# Altium PCB BW2098POE.PcbDoc (part 1 of 4)
Units mm, origin at the board's own origin, x right, y up, seen from the top; angles counter-clockwise.
Board outline 80 x 60 mm, 4 copper layers (Top Layer, Layer 2, Layer 3, Bottom Layer), stack 1.578 mm thick; 233 components, 209 nets, 925 pads, 561 vias.
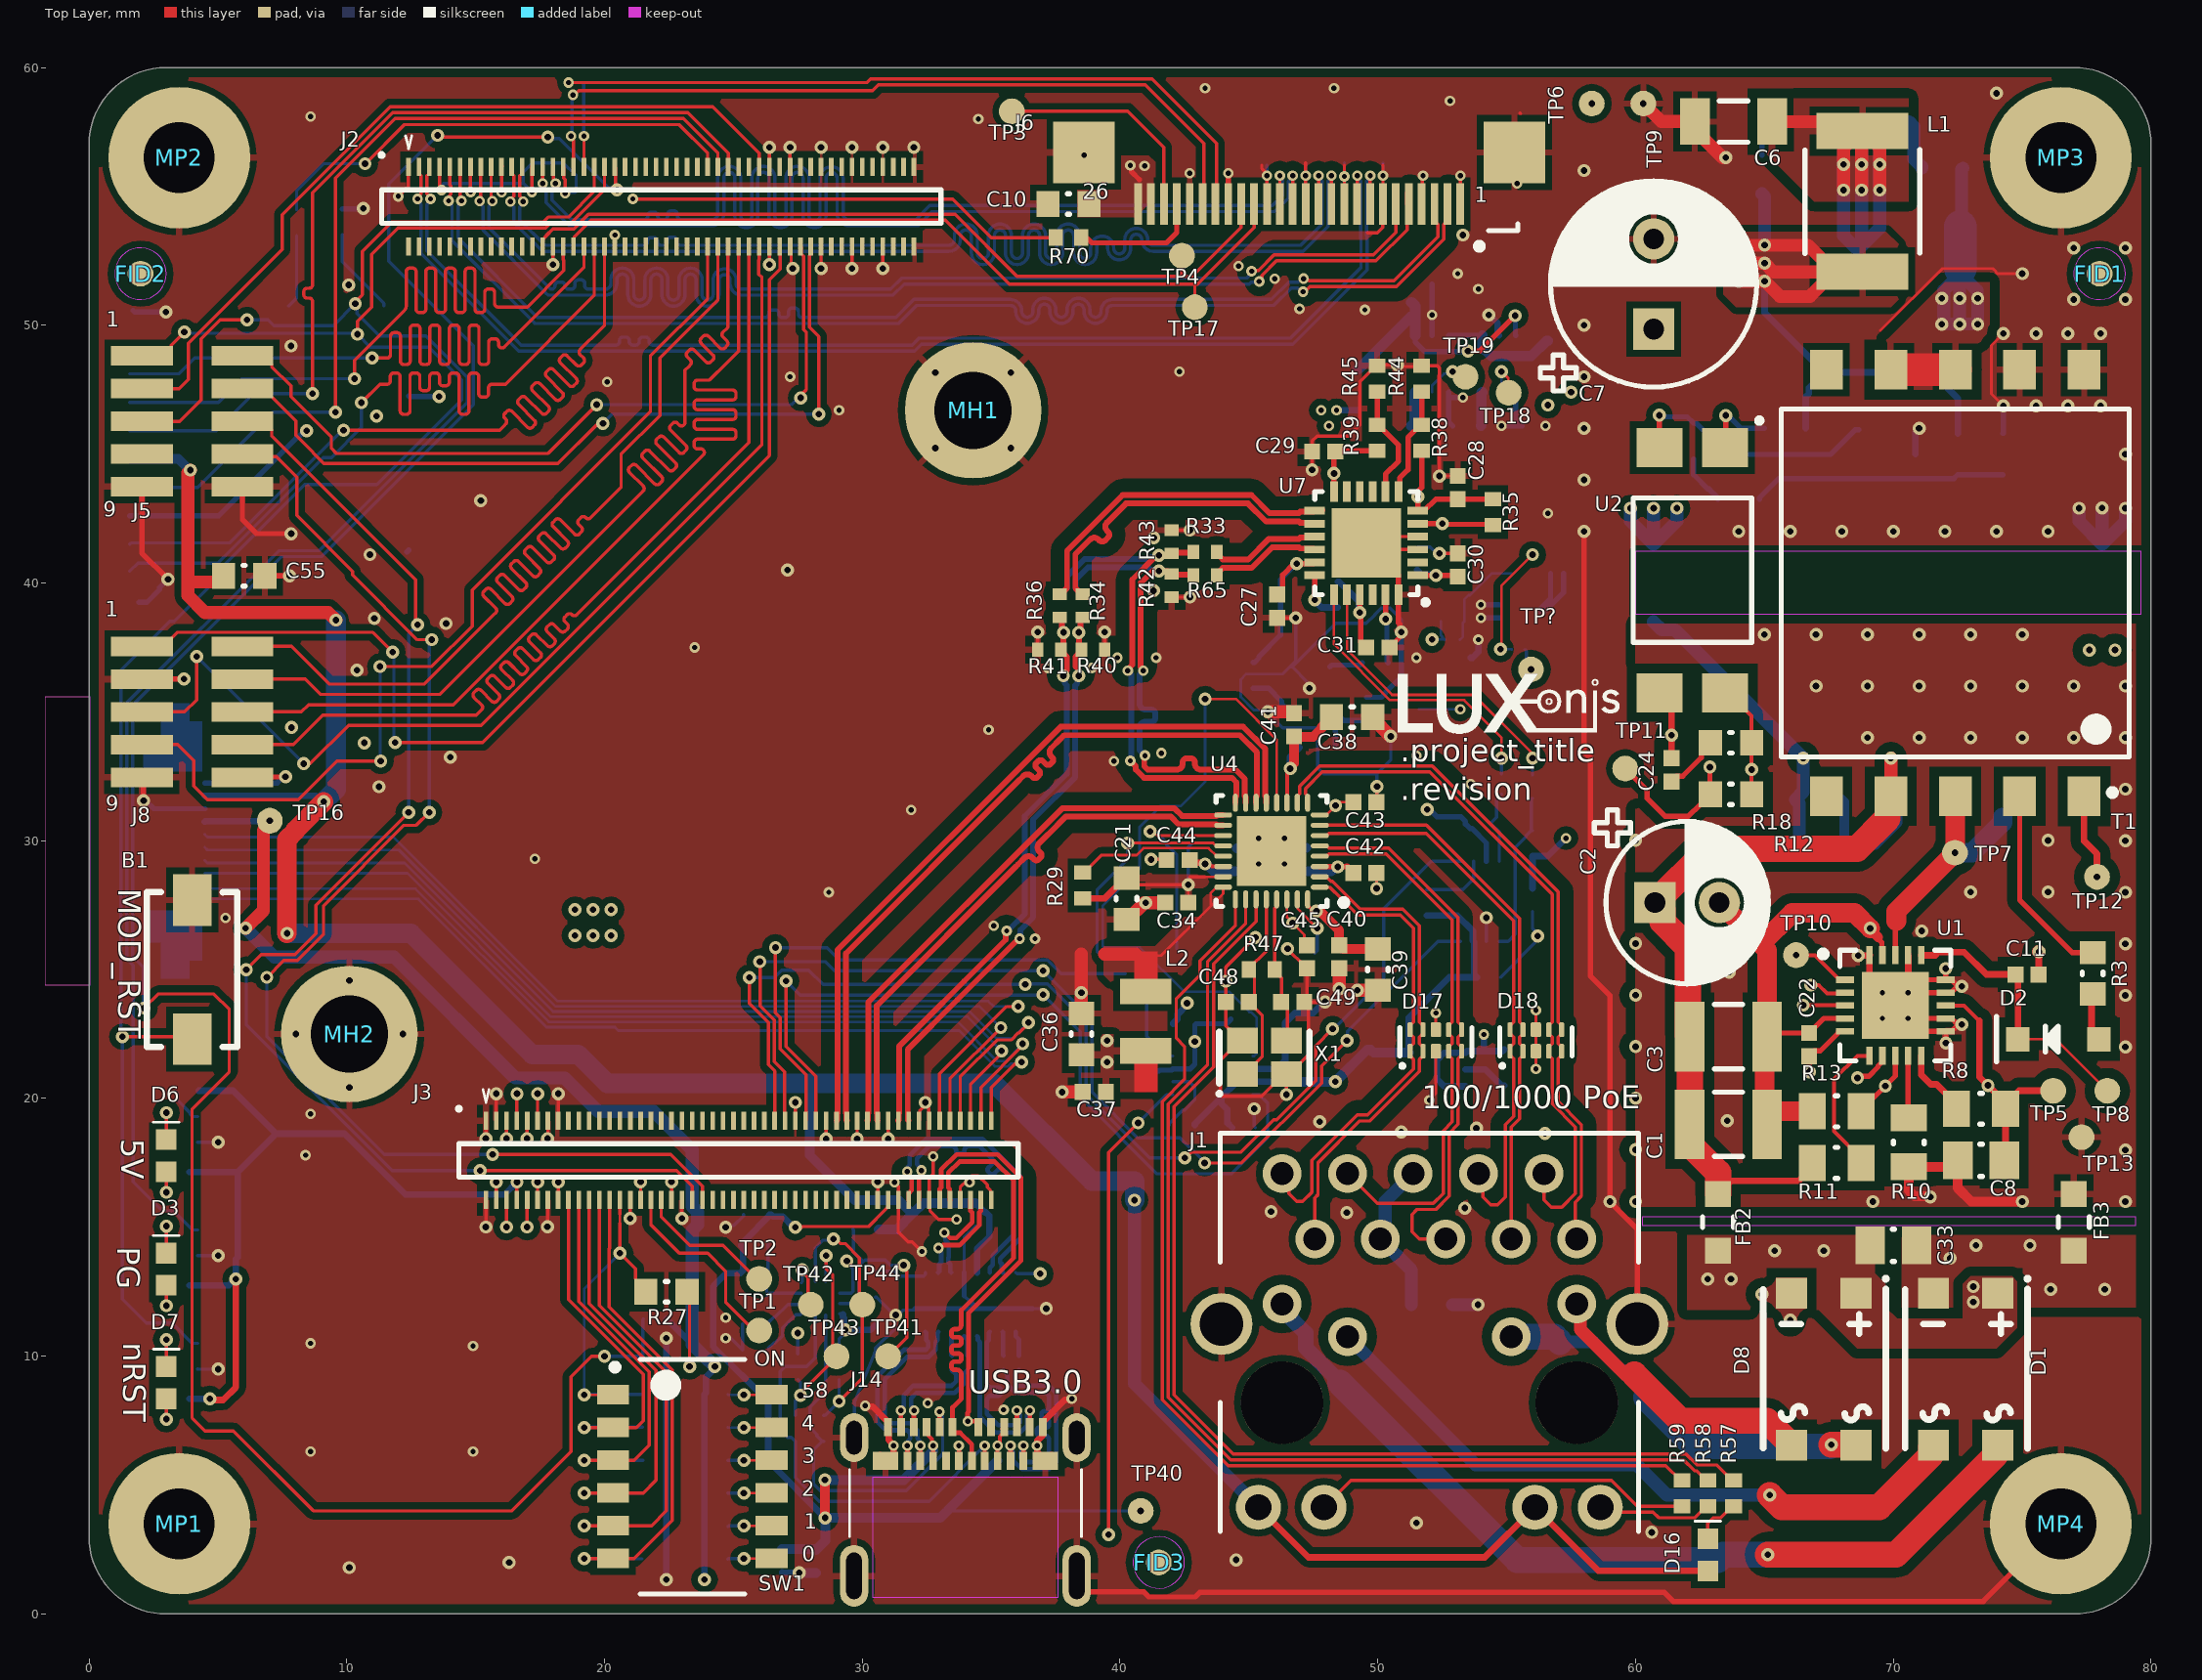
[diagram p0: Top Layer view]
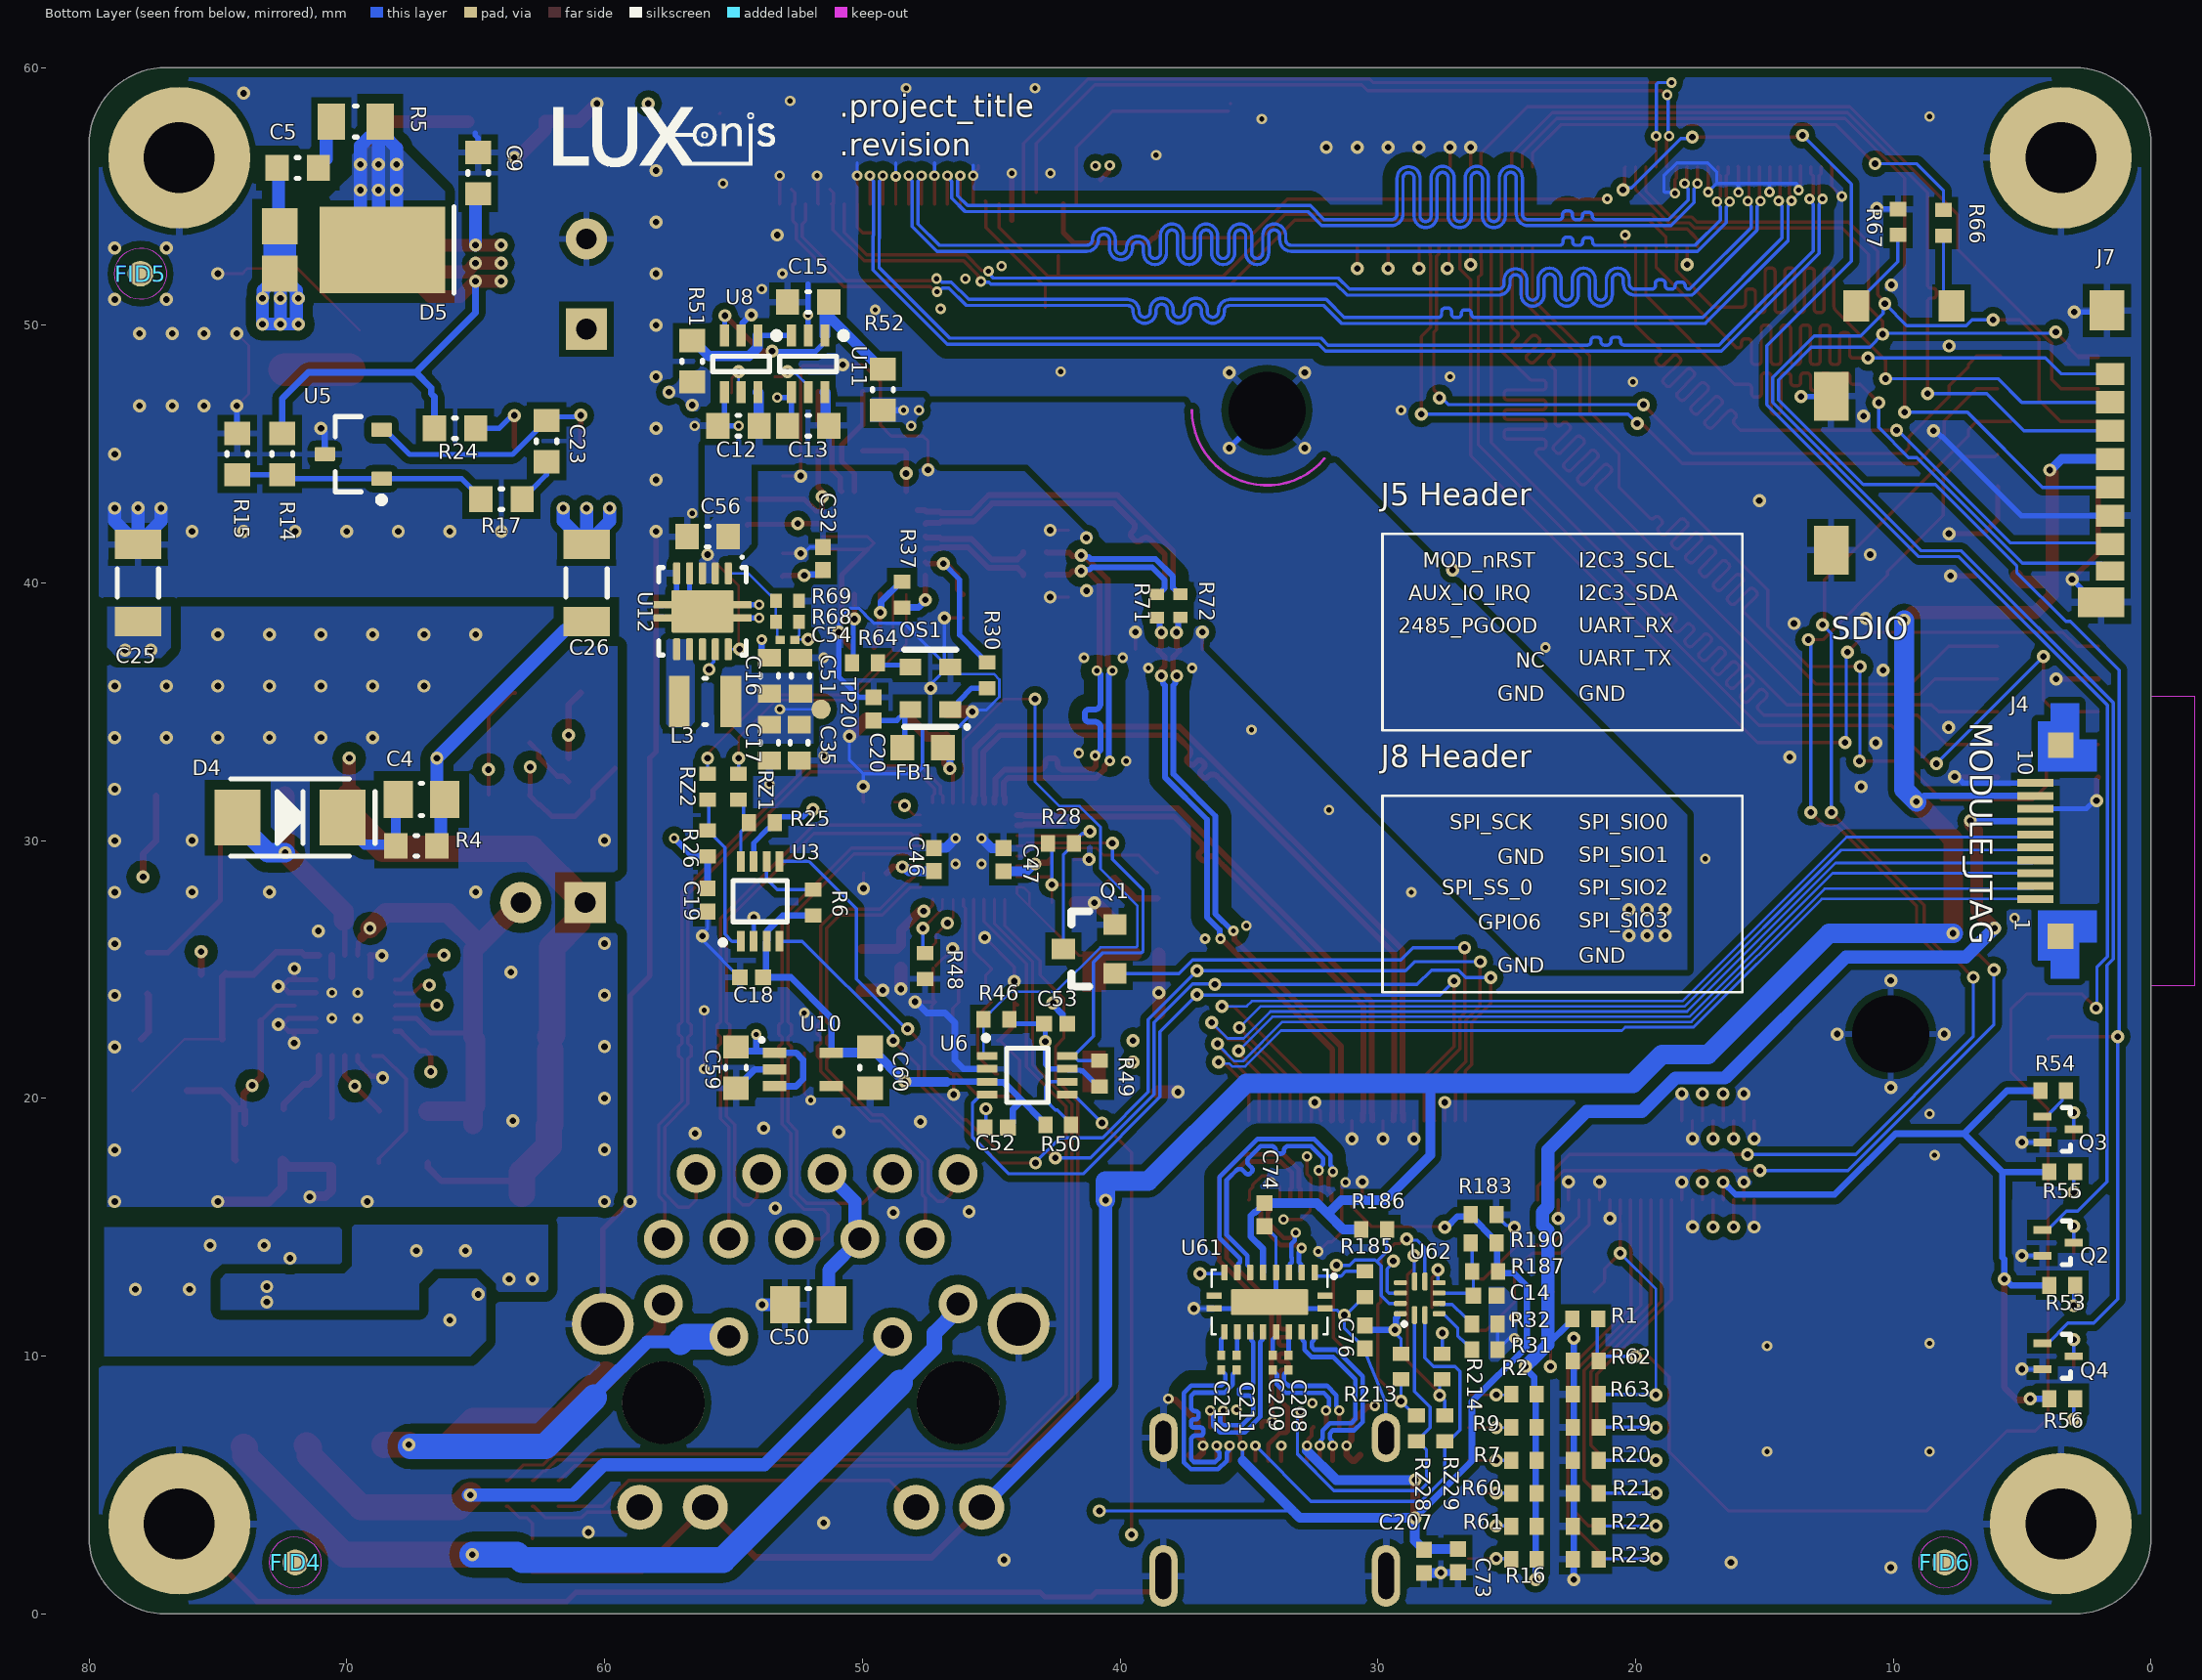
[diagram p1: Bottom Layer view, seen from below]
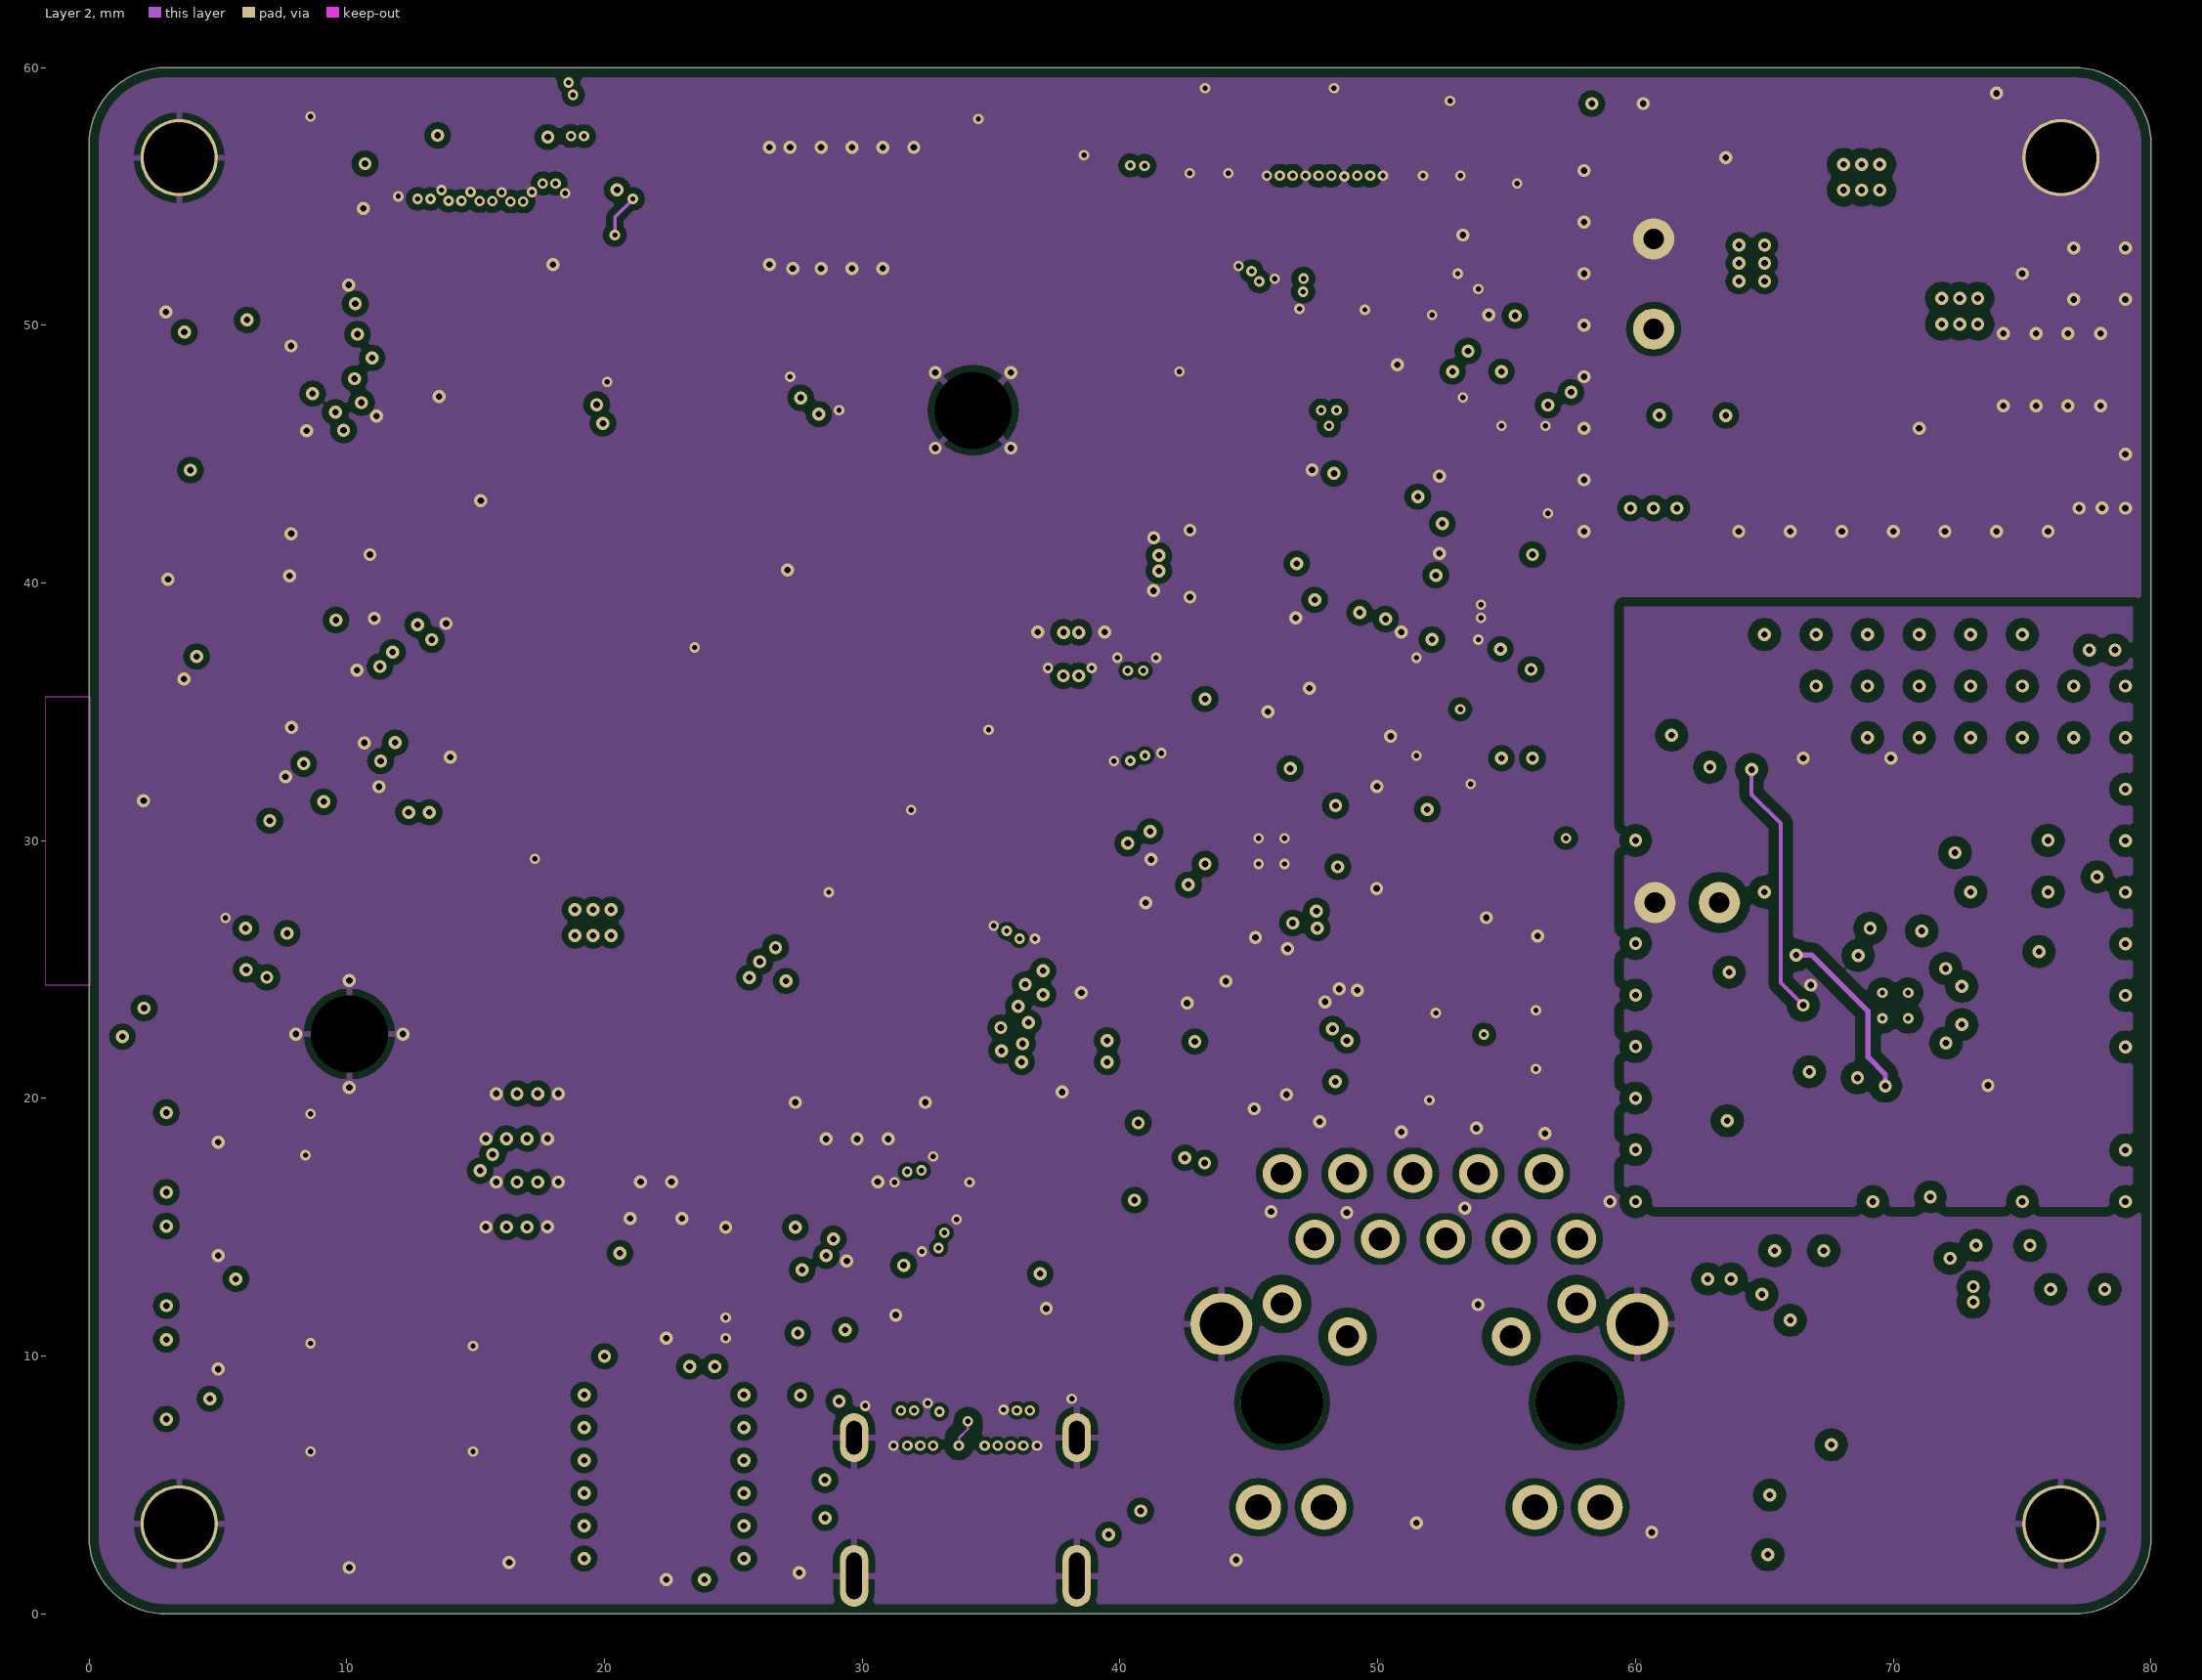
[diagram p2: Layer 2]